# Altium PCB PCB_AutoRoute.PcbDoc (part 1 of 2)
Units mm, origin at the board's own origin, x right, y up, seen from the top; angles counter-clockwise.
Board outline 100 x 100 mm, 4 copper layers (Top Layer, AGND, PWR, Bottom Layer), stack 1.747 mm thick; 183 components, 95 nets, 503 pads, 230 vias.
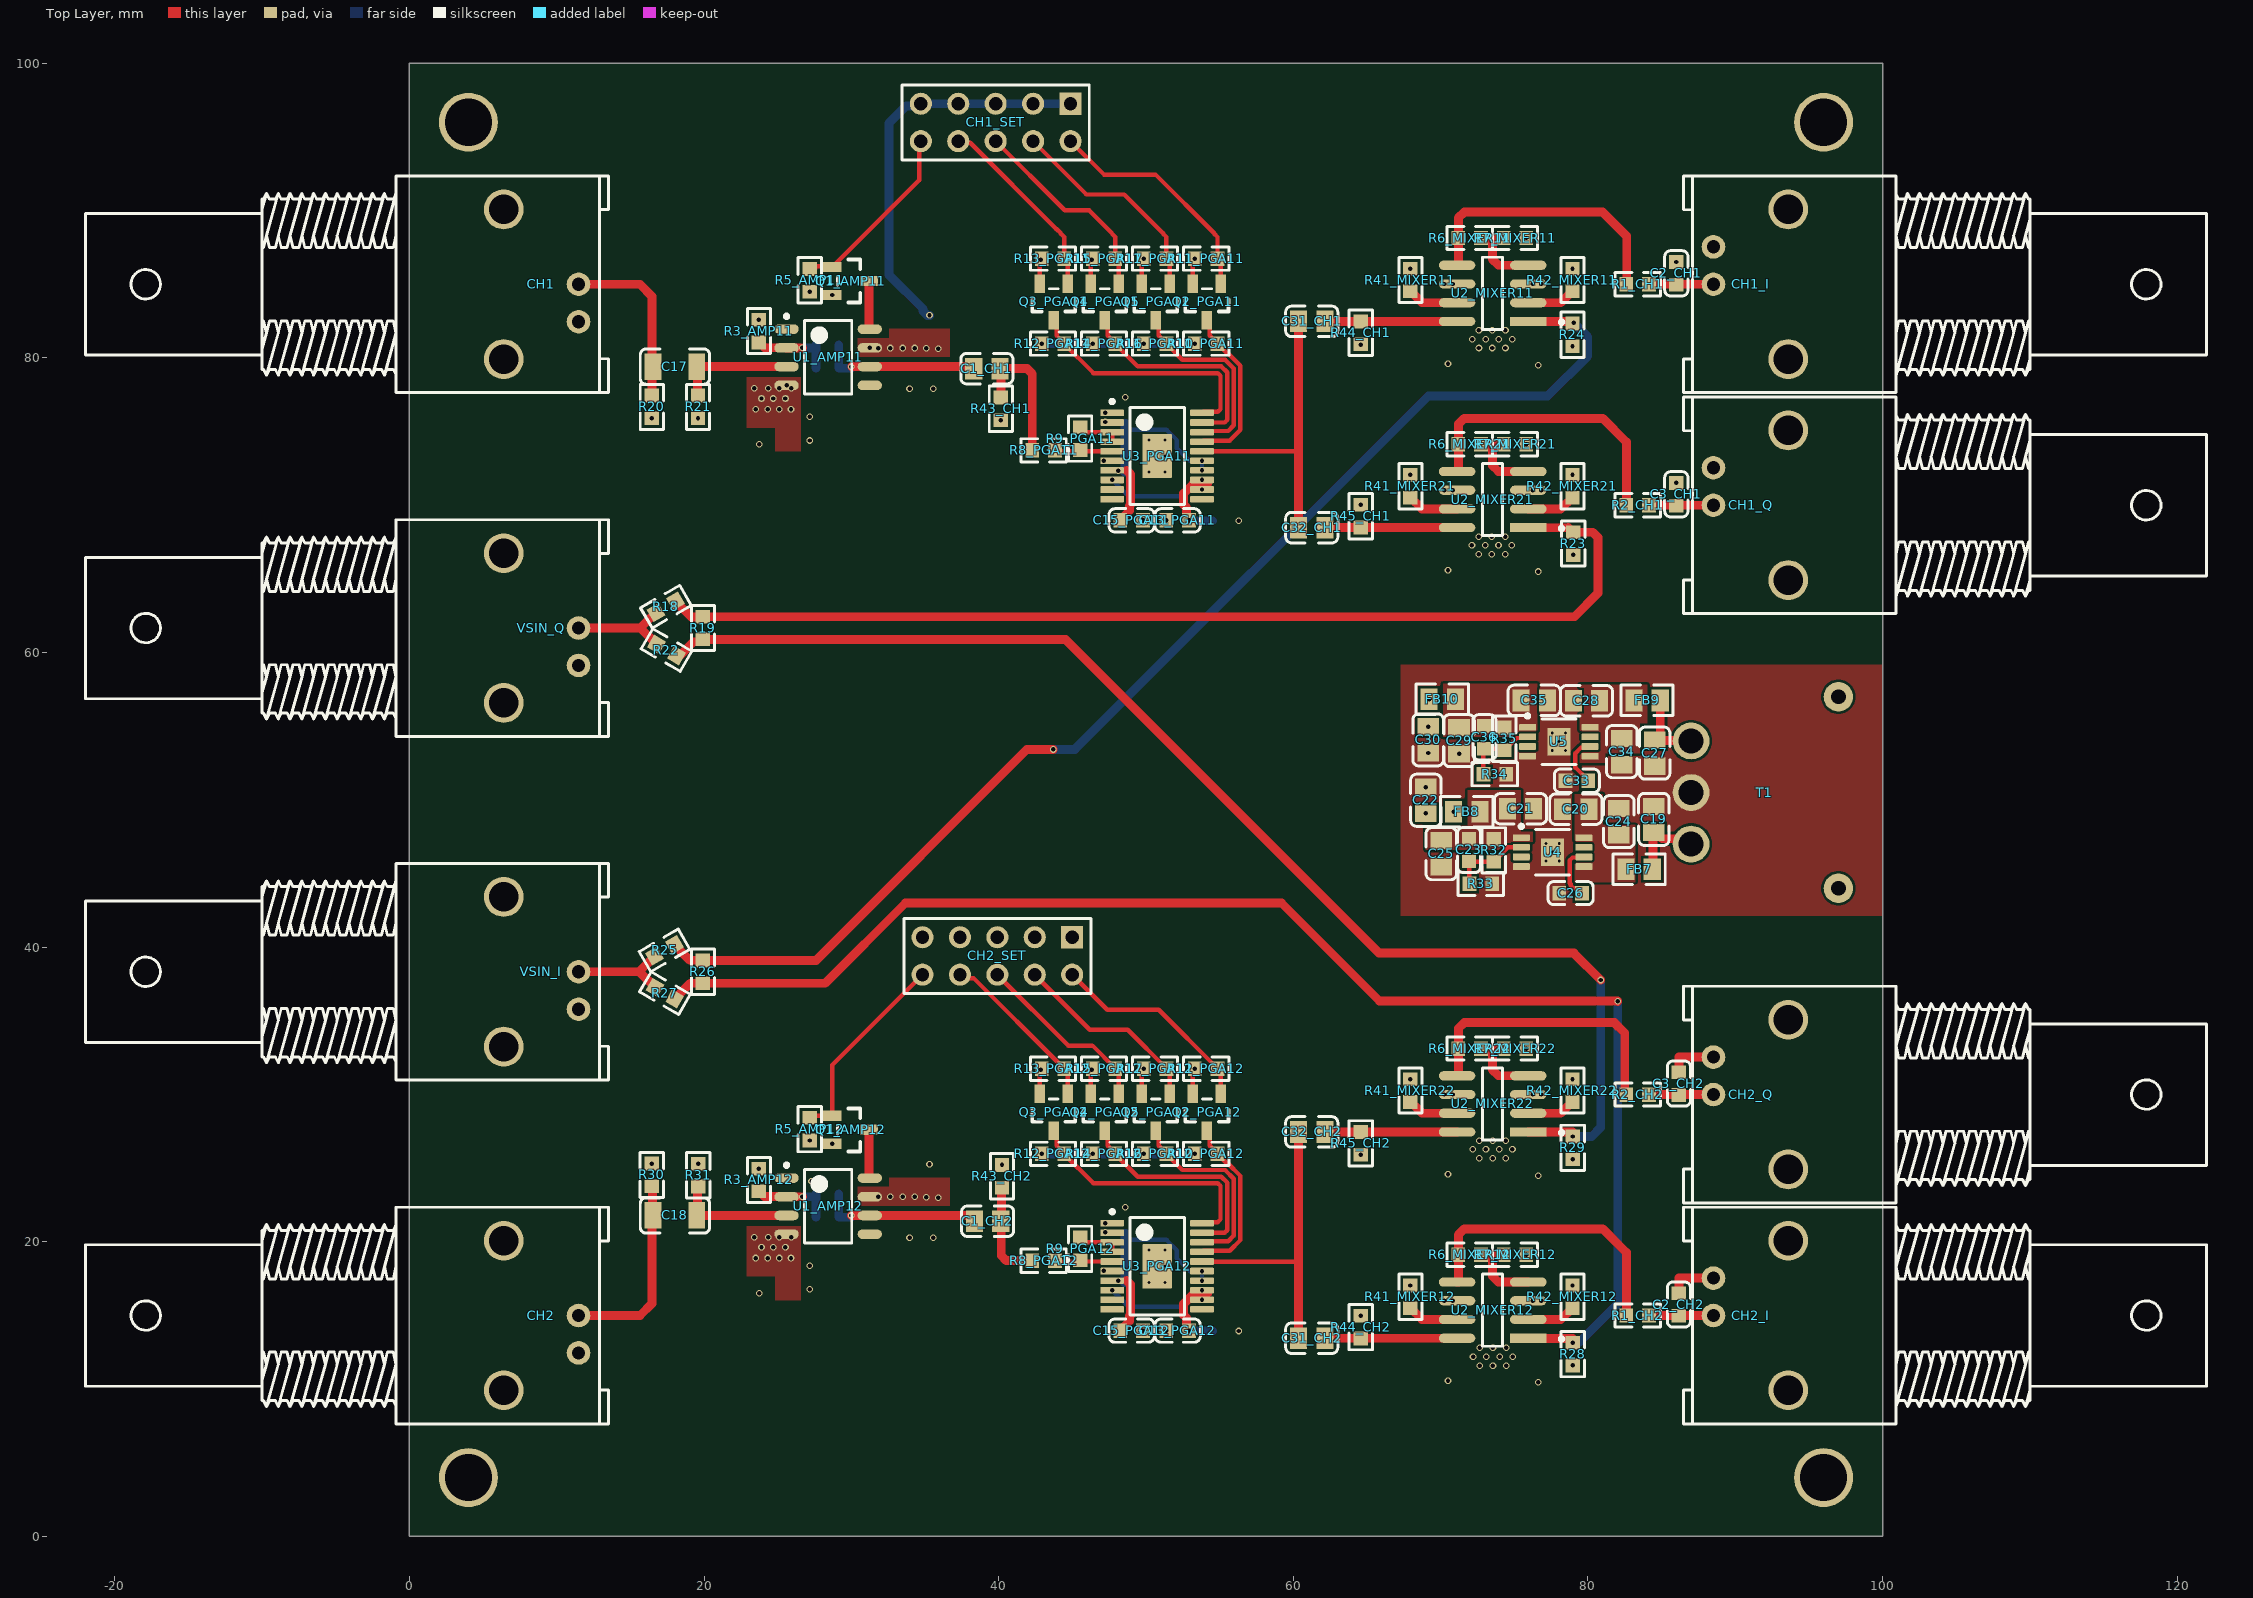
[diagram p0: Top Layer view]
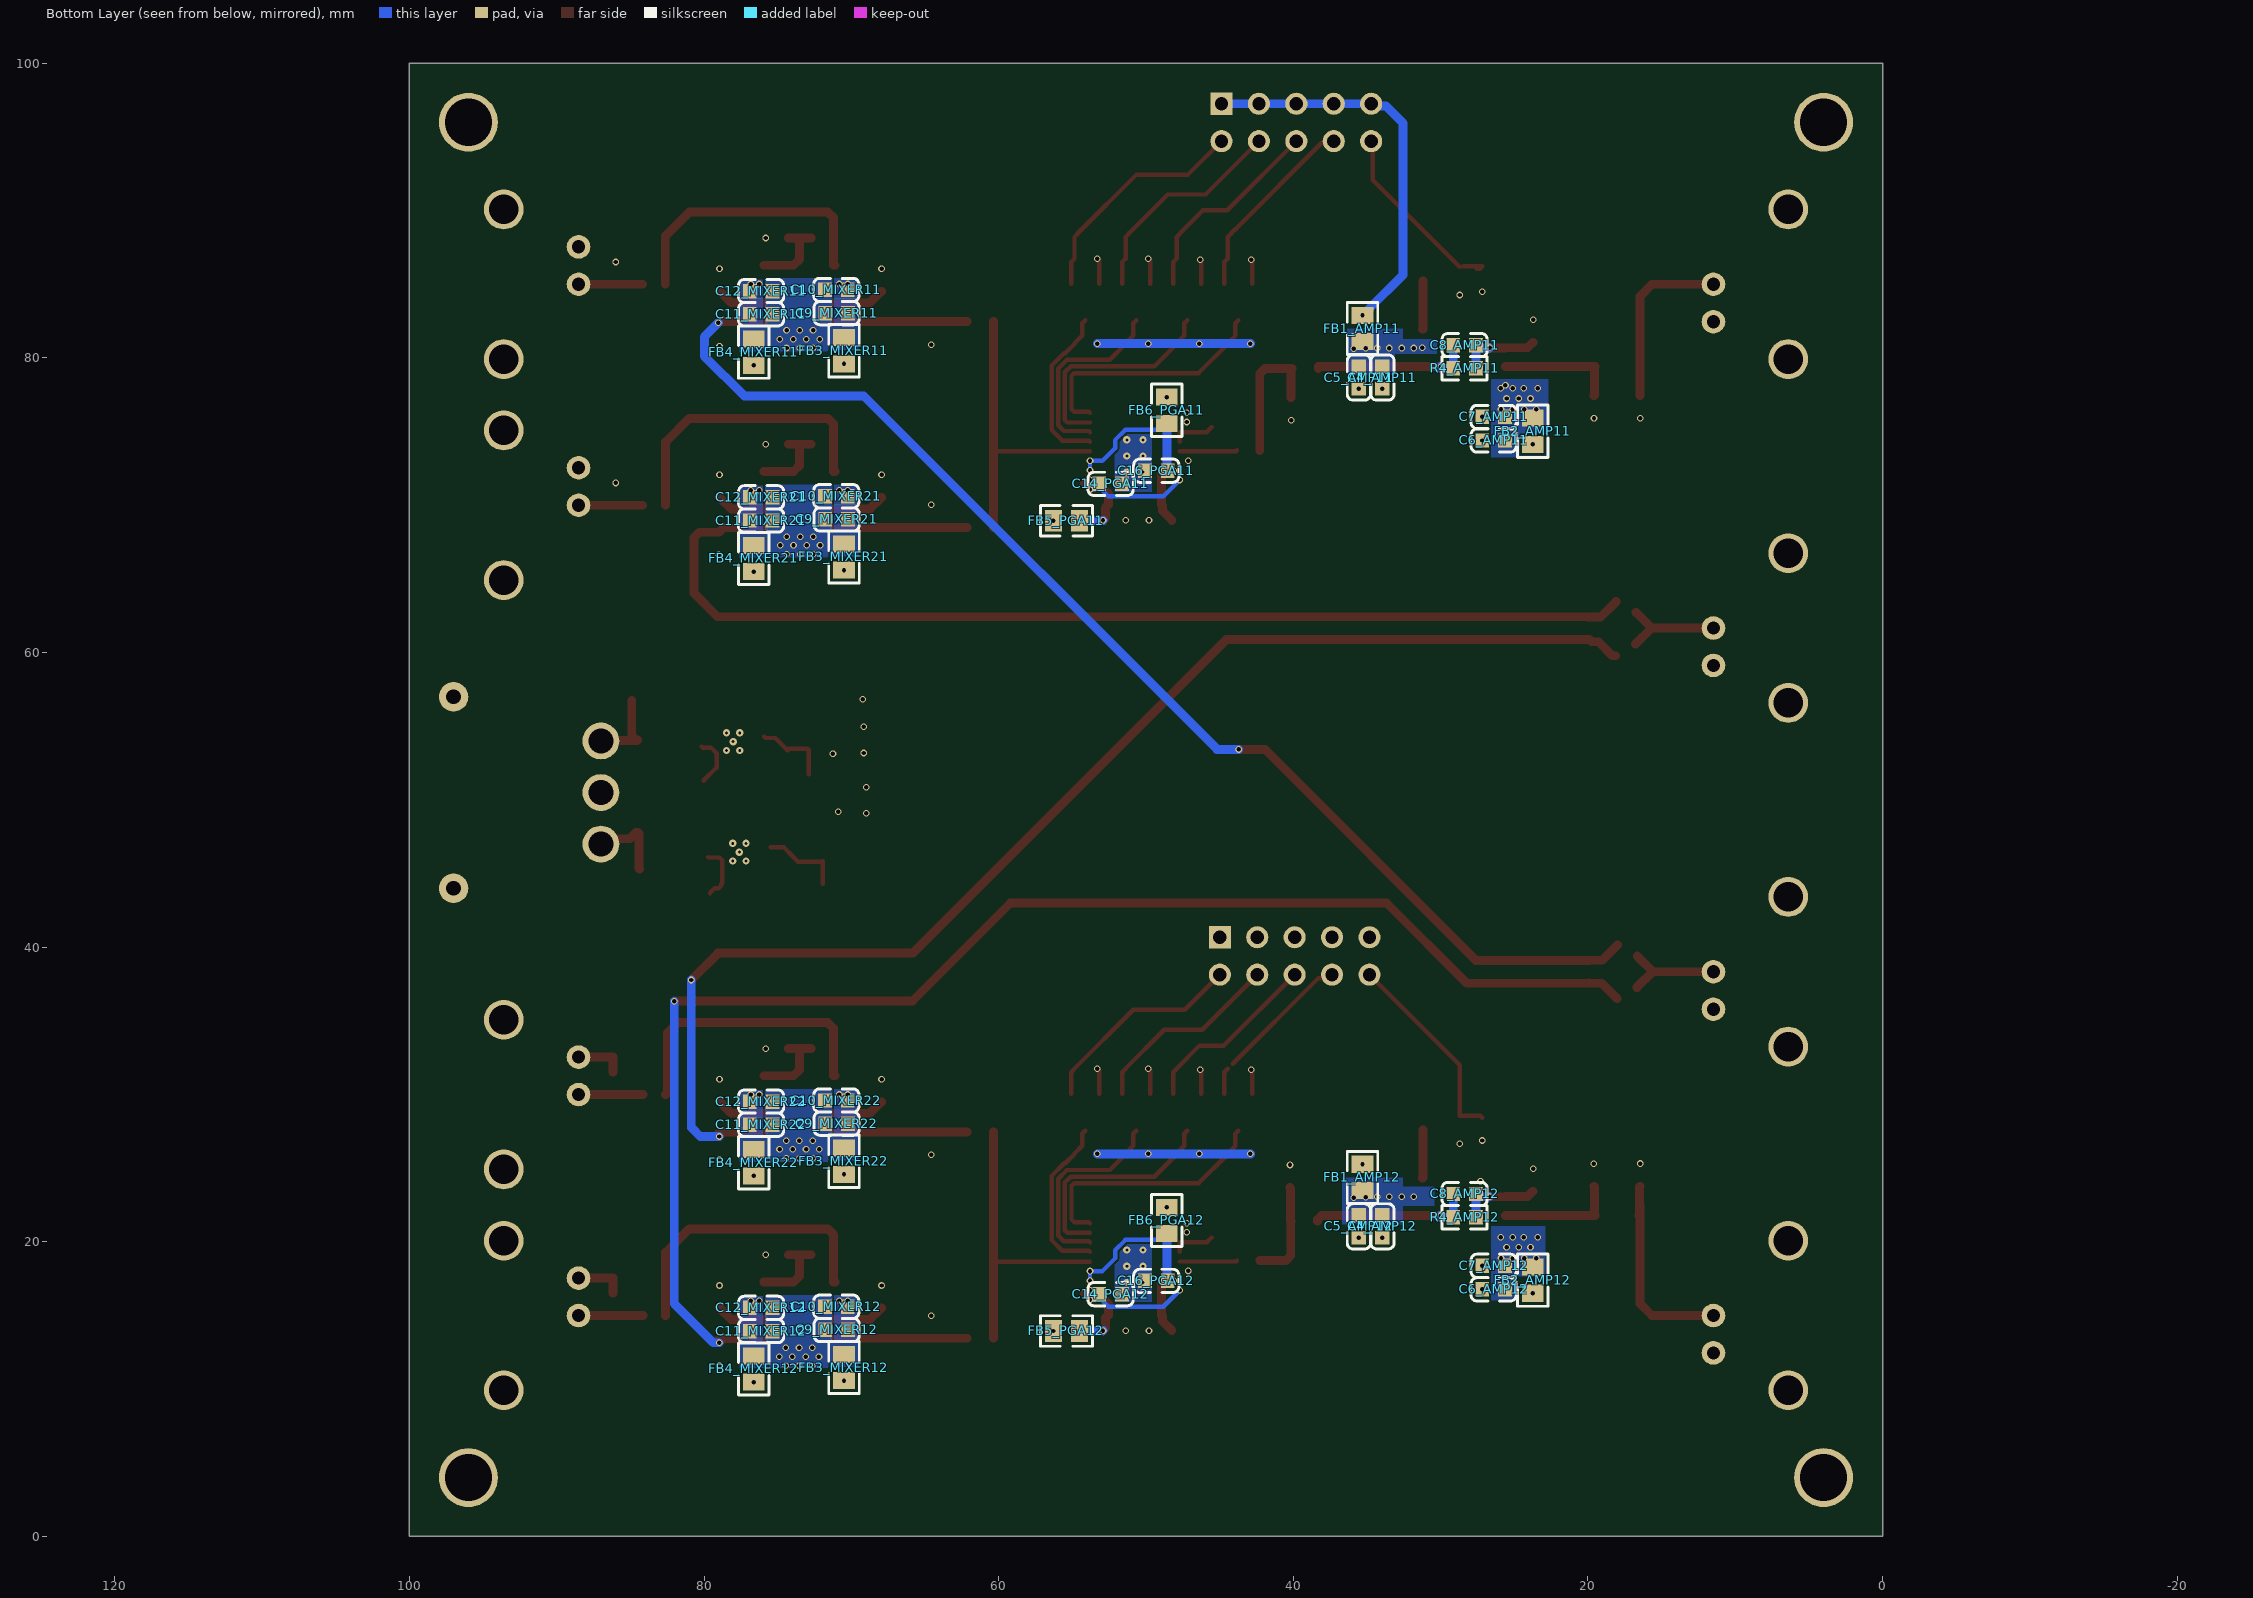
[diagram p1: Bottom Layer view, seen from below]
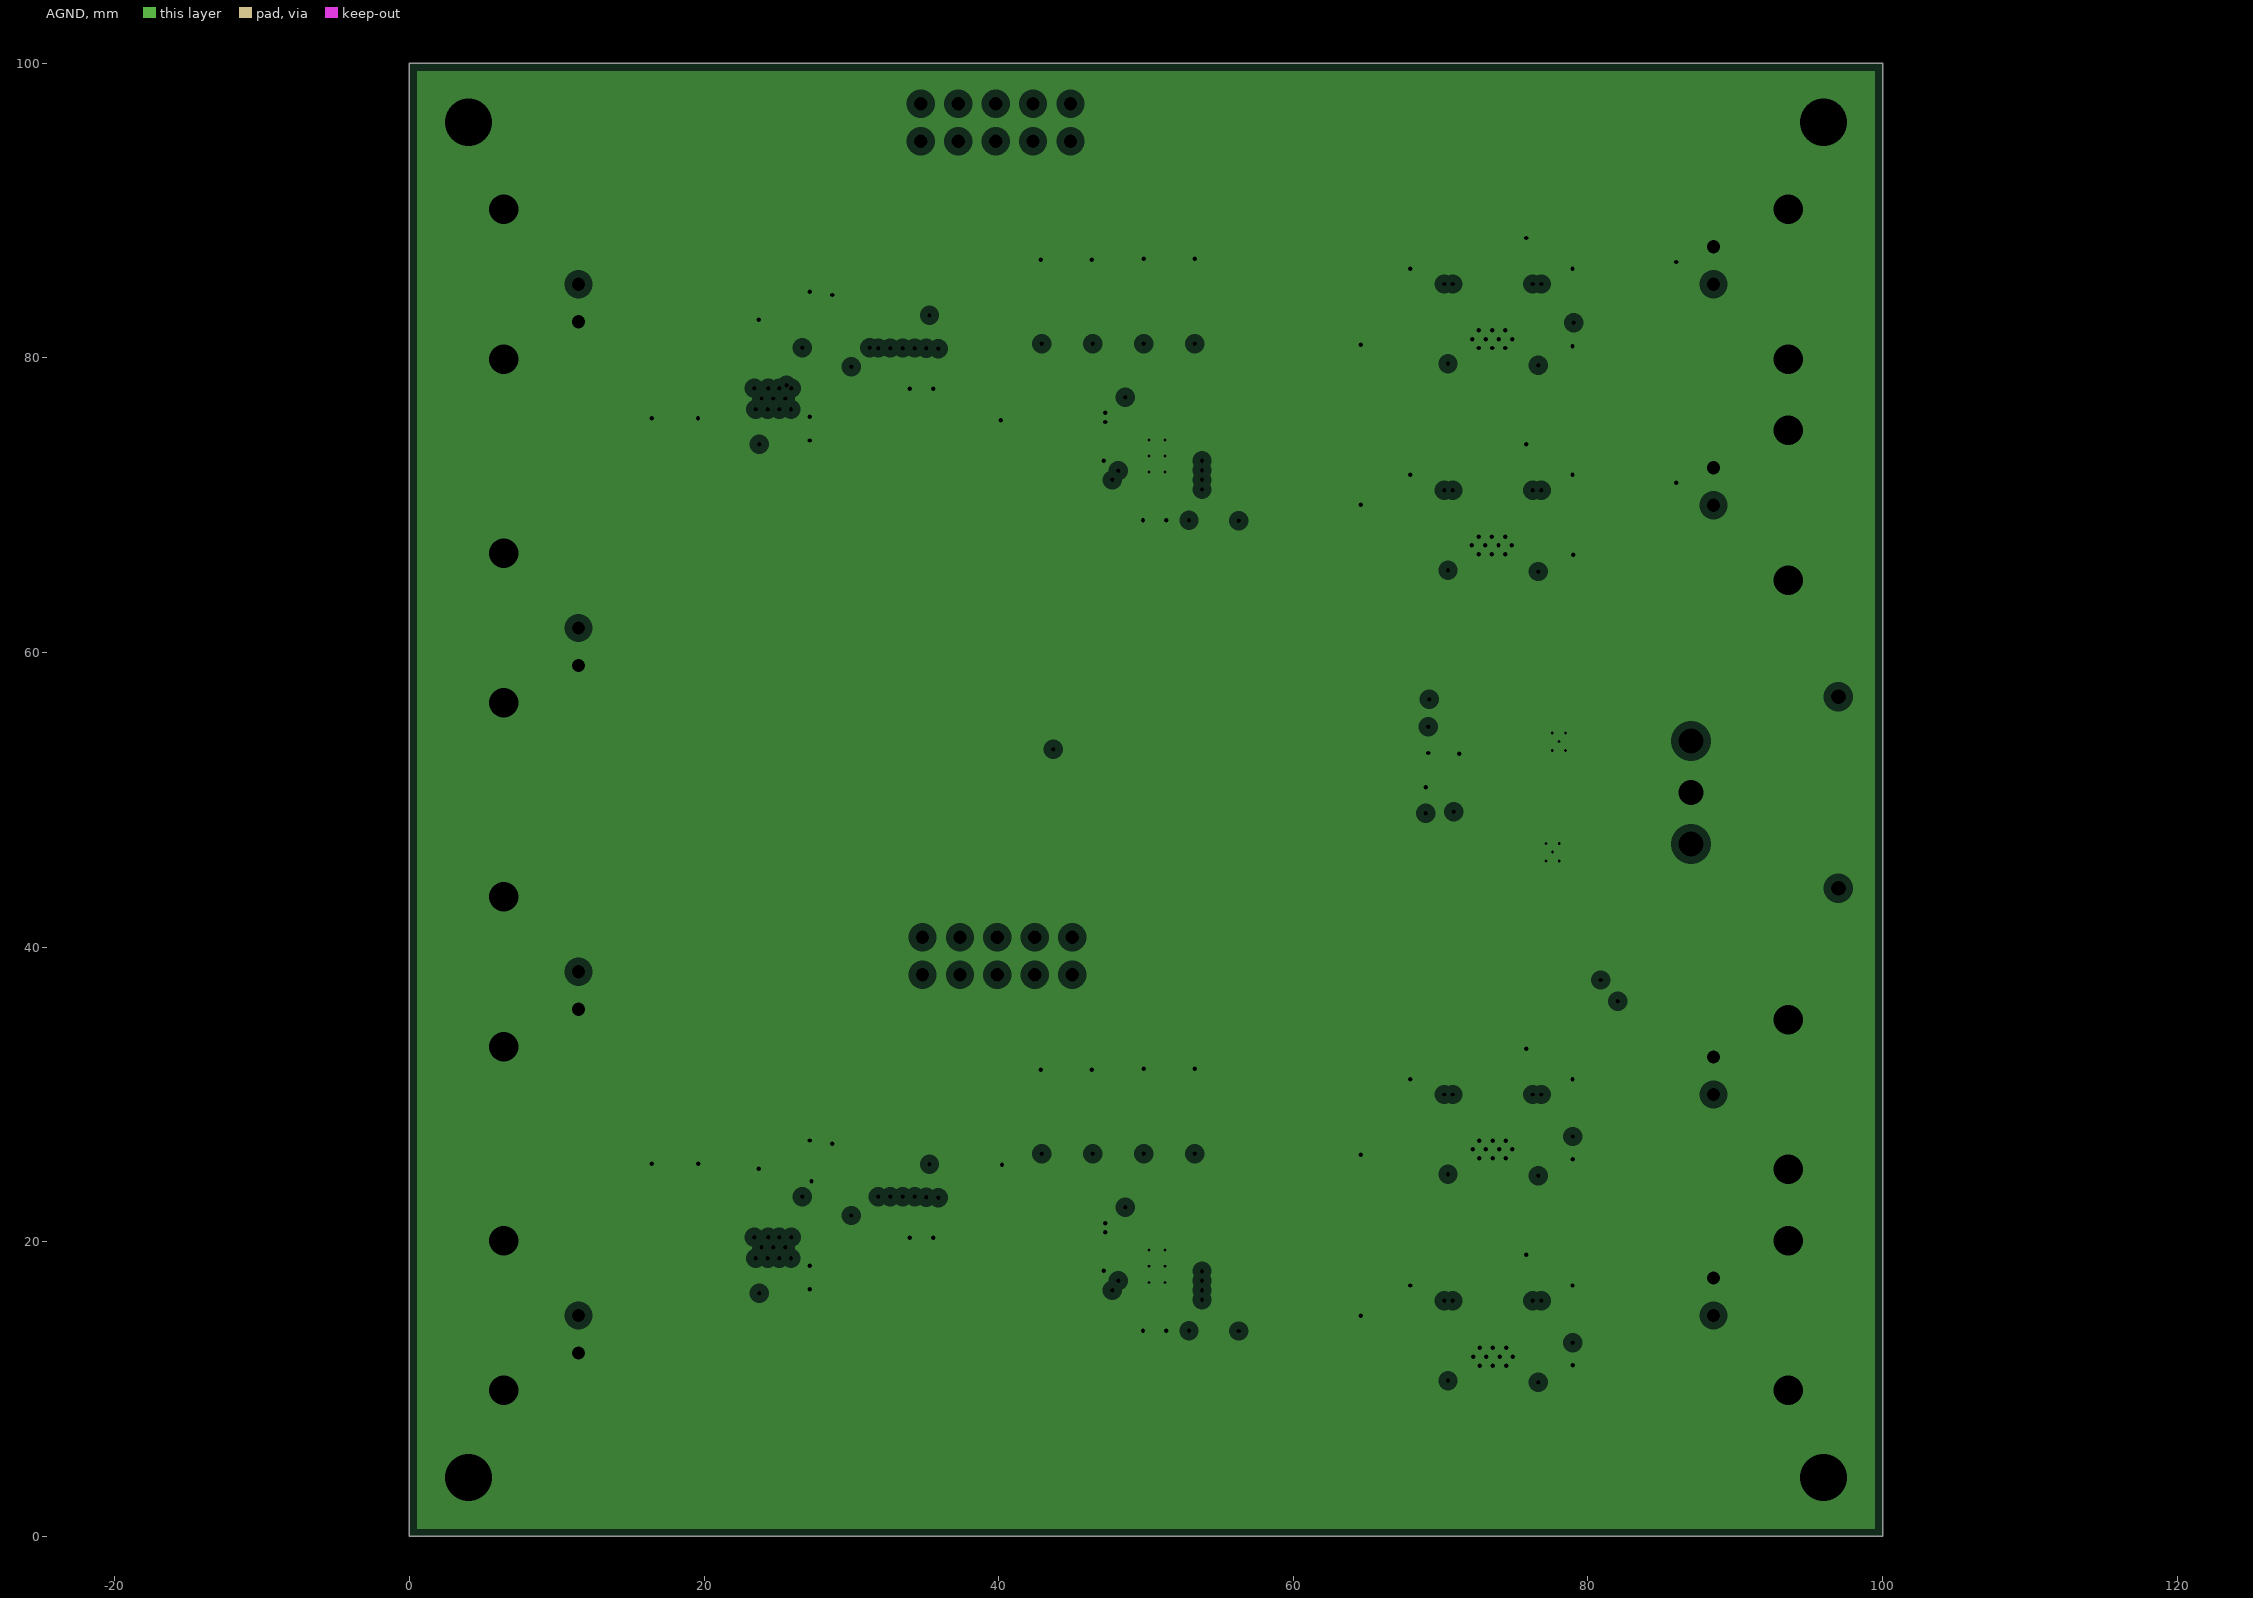
[diagram p2: AGND, clearances drawn from the general rule]